# Altium PCB Smartcar.PcbDoc (part 1 of 2)
Units mil, origin at the board's own origin, x right, y up, seen from the top; angles counter-clockwise.
Board outline 3740.16 x 2322.83 mil, 2 copper layers (Top Layer, Bottom Layer); 141 components, 109 nets, 521 pads, 178 vias.
Unrouted connection lines stored in the file: 4.
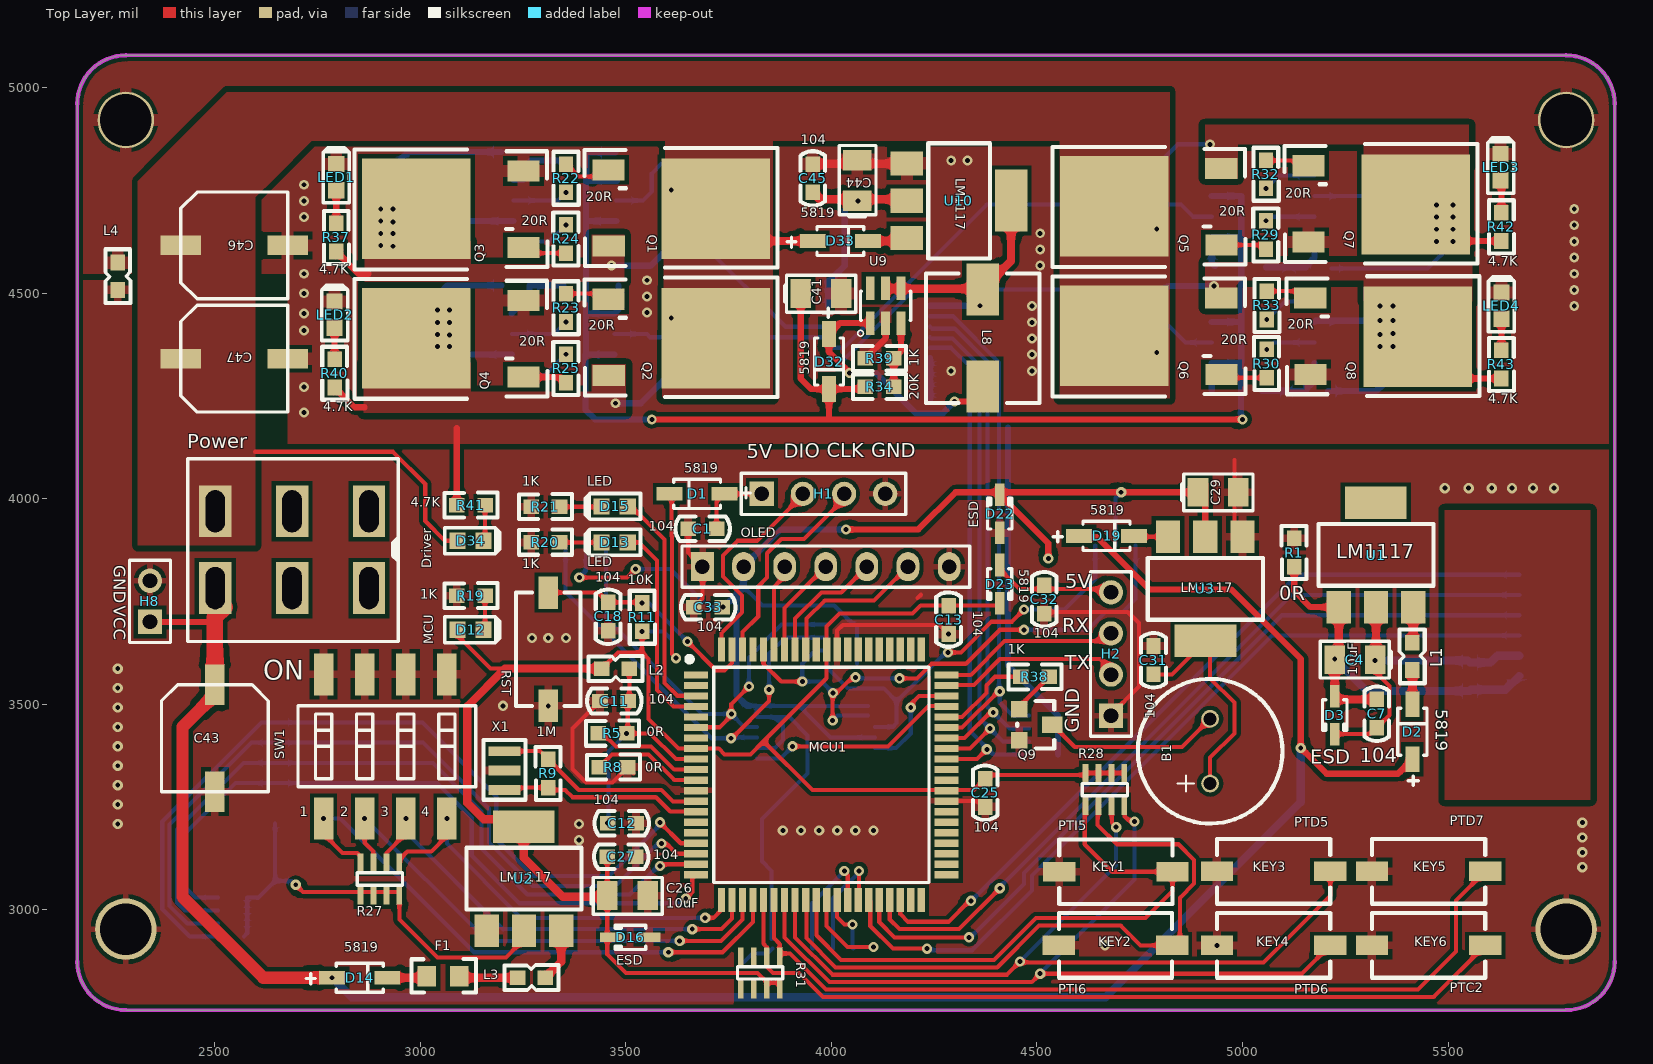
[diagram p0: Top Layer view]
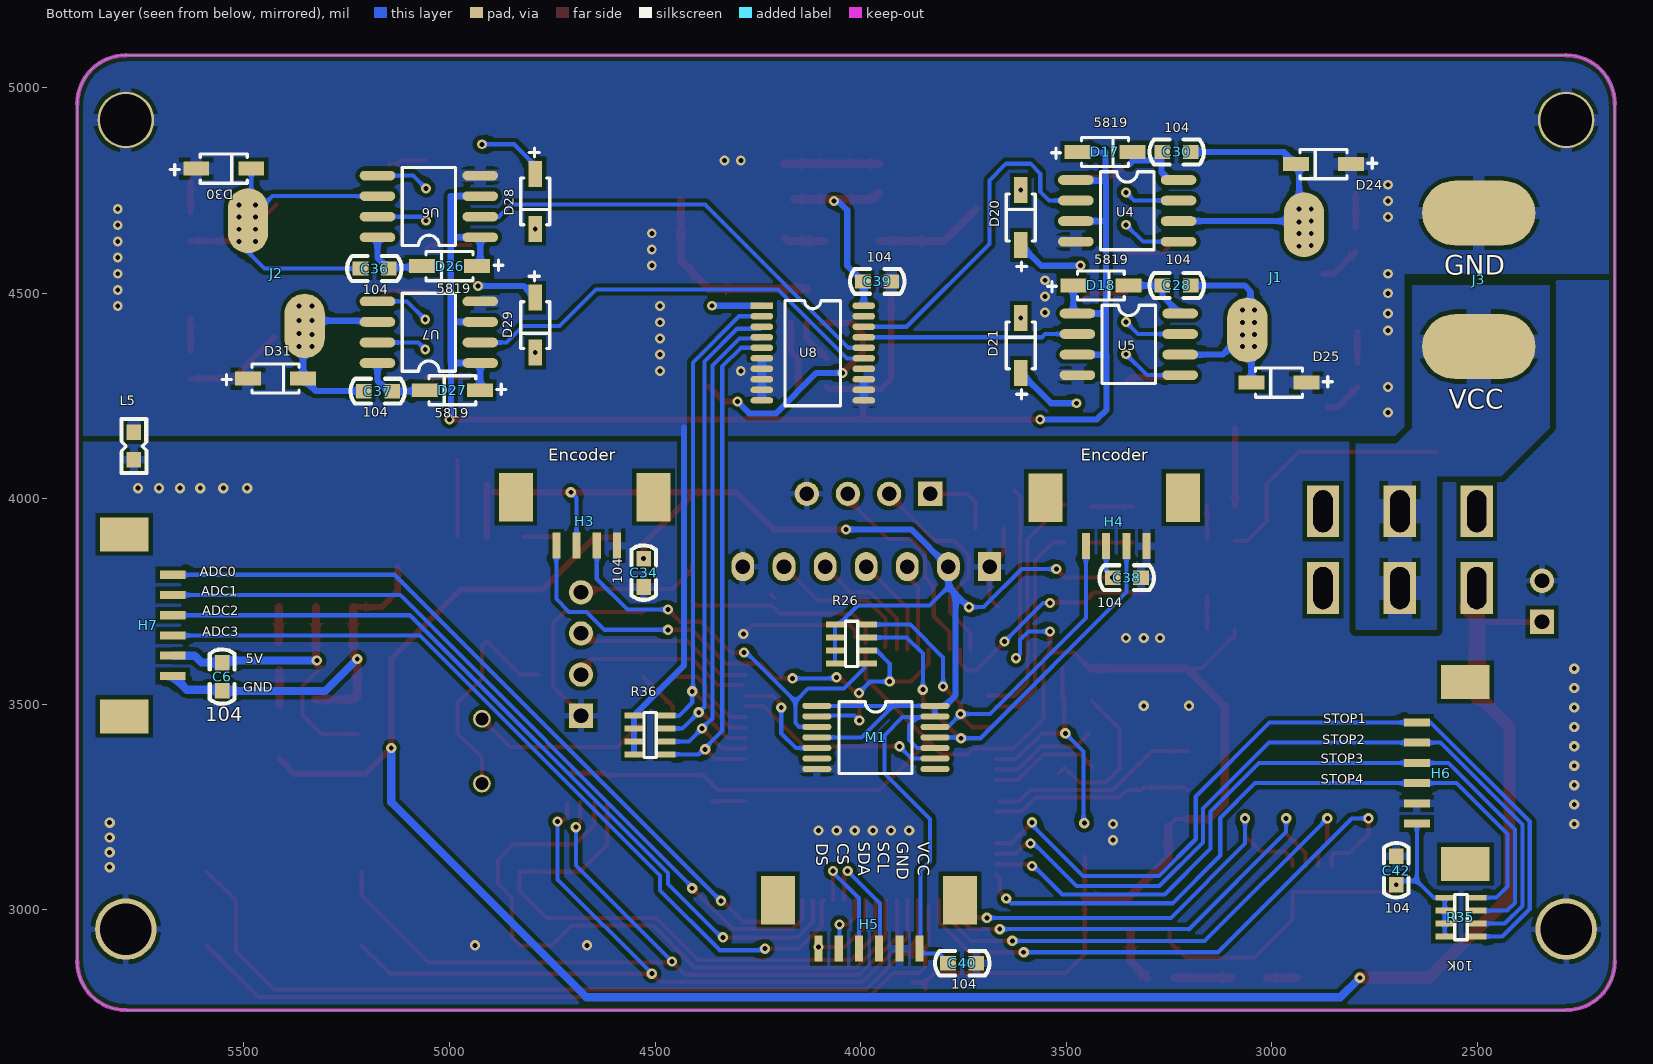
[diagram p1: Bottom Layer view, seen from below]
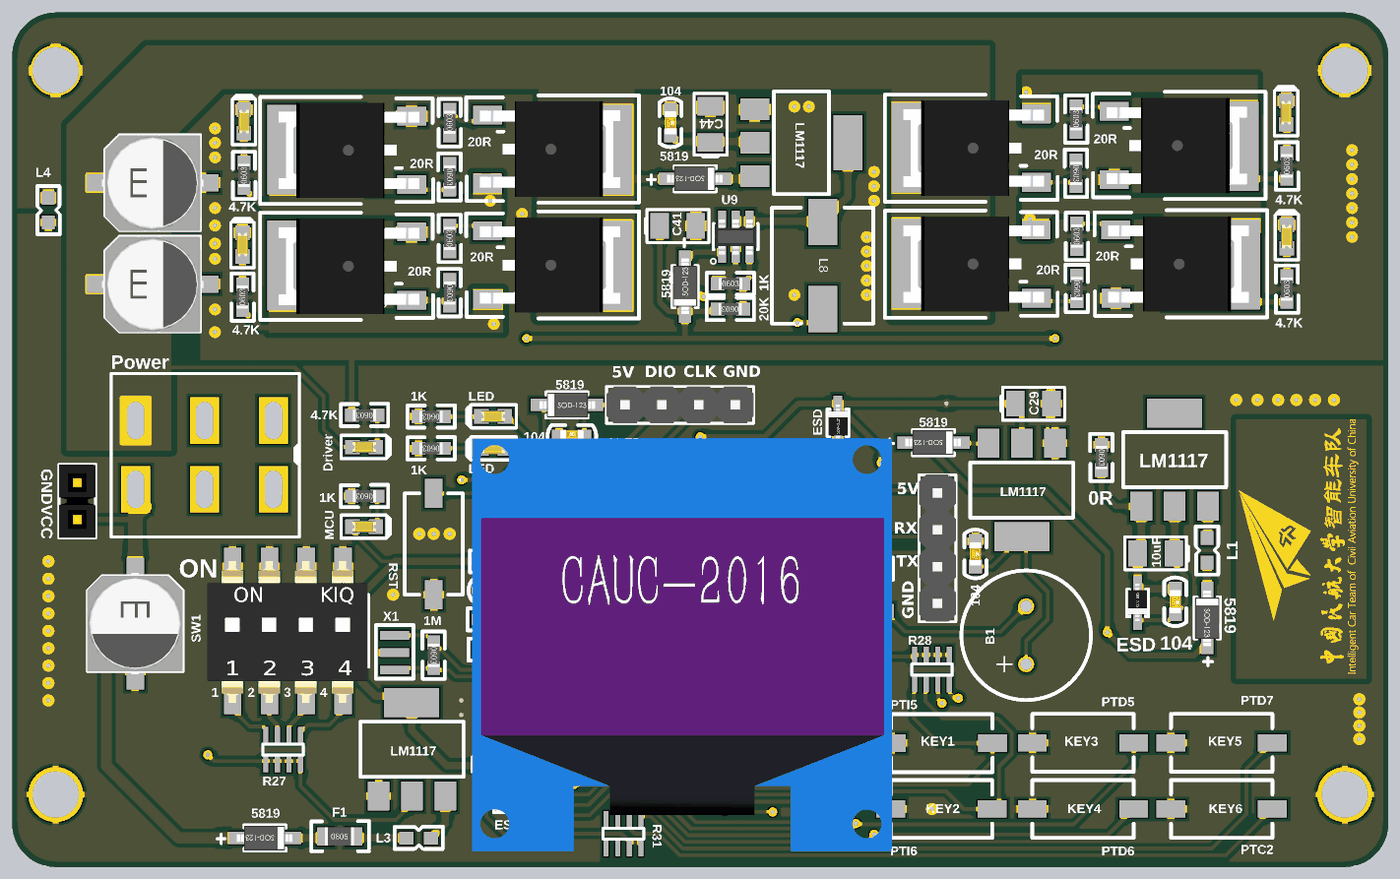
[diagram p3: 3D render of the assembled board from above, using the file's embedded part models]
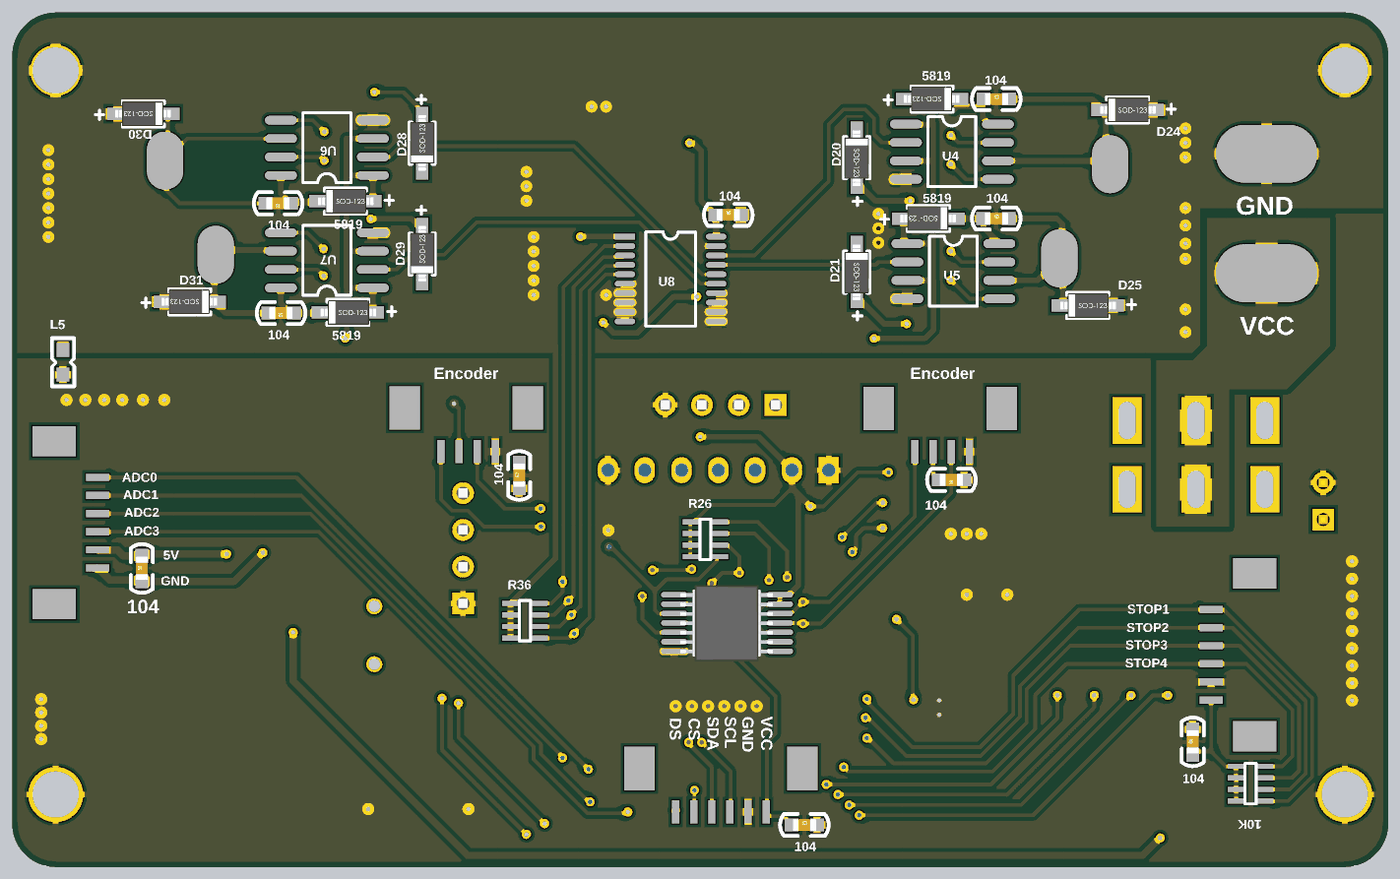
[diagram p4: 3D render of the assembled board from below, using the file's embedded part models]

## Layer stack, top to bottom
Top Solder: solder mask 0.4, Solder Resist, Dk 3.5
Top Layer: signal copper 1.4
Dielectric 1: dielectric 12.6, FR-4, Dk 4.8
Bottom Layer: signal copper 1.4
Bottom Solder: solder mask 0.4, Solder Resist, Dk 3.5

## Board outline
2165.35,2874.02 2165.35,4960.63 cw(c2283.46,4960.63) 2283.46,5078.74 5787.4,5078.74 cw(c5787.4,4960.63) 5905.51,4960.63 5905.51,2874.02 cw(c5787.4,2874.02) 5787.4,2755.91 2283.46,2755.91 cw(c2283.46,2874.02)

## Design rules (kind name [scope] priority, off if disabled: settings)
Clearance [All] p1: gap=10 ignorepadtopadclearanceinfootprint=TRUE except(0: Arc-Hole Track-Hole SMDPad-Hole THPad-Hole Via-Hole Fill-Hole Poly-Hole Region-Hole Text-Hole; 8: Arc-Arc Arc-Track Arc-SMDPad Track-Track Track-SMDPad; 15: Fill-Fill Fill-Poly Fill-Region Poly-Poly Poly-Region Region-Region)
Height [All] p1: minheight=0 maxheight=1181.1 prefheight=500
PlaneConnect PlaneConnect_1 [All] p1: planeconnectstyle=Relief reliefexpansion=20 reliefentries=4 reliefconductorwidth=10 reliefairgap=10
PlaneConnect [InNet('SGND')] p2: planeconnectstyle=Relief reliefexpansion=20 reliefentries=4 reliefconductorwidth=15 reliefairgap=10
PolygonConnect VCC_PolygonConnect [InNet('NetJ3_1')] p1: thpad.connectstyle=Relief thpad.reliefconductorwidth=60 thpad.reliefentries=4 thpad.polygonreliefangle="90 Angle" thpad.airgapwidth=10 smdpad.connectstyle=Relief smdpad.reliefconductorwidth=60 smdpad.reliefentries=4 smdpad.polygonreliefangle="90 Angle" smdpad.airgapwidth=10 via.connectstyle=Direct via.reliefconductorwidth=10 via.reliefentries=4 via.polygonreliefangle="90 Angle" via.airgapwidth=10
PolygonConnect PGND_PolygonConnect [InNet('PGND')] p2: thpad.connectstyle=Relief thpad.reliefconductorwidth=30 thpad.reliefentries=4 thpad.polygonreliefangle="90 Angle" thpad.airgapwidth=10 smdpad.connectstyle=Relief smdpad.reliefconductorwidth=30 smdpad.reliefentries=4 smdpad.polygonreliefangle="90 Angle" smdpad.airgapwidth=10 via.connectstyle=Direct via.reliefconductorwidth=10 via.reliefentries=4 via.polygonreliefangle="90 Angle" via.airgapwidth=10
PolygonConnect SGND_PolygonConnect [InNet('SGND')] p3: thpad.connectstyle=Relief thpad.reliefconductorwidth=15 thpad.reliefentries=4 thpad.polygonreliefangle="90 Angle" thpad.airgapwidth=10 smdpad.connectstyle=Relief smdpad.reliefconductorwidth=20 smdpad.reliefentries=4 smdpad.polygonreliefangle="90 Angle" smdpad.airgapwidth=10 via.connectstyle=Direct via.reliefconductorwidth=10 via.reliefentries=4 via.polygonreliefangle="90 Angle" via.airgapwidth=10
PolygonConnect [All] p4: connectstyle=Direct reliefconductorwidth=10 reliefentries=4 polygonreliefangle="90 Angle" airgapwidth=10
RoutingVias [All] p1: holewidth=28 width=50 viastyle="Through Hole" minholewidth=28 minwidth=50 maxholewidth=28 maxwidth=50
SolderMaskExpansion [All] p1: expansion=4
Width [All] p1: maxlimit=50 minlimit=8 preferedwidth=10
28 further rules are at their usual default settings.

## Components (designator, comment, footprint, x,y, rotation, side; value= is the part's Value field where it differs from the comment)
B1 "BEEP" BEEP 4921.26,3385.83 r90 top
C1 "104" C0603 3651.57,3927.17 r0 top
C4 "10uF" "TAN 3215" 5322.83,3608.27 r180 top
C6 "104" C0603 5553.15,3532.38 r90 bottom
C7 "104" C0603 5326.77,3511.81 r270 top
C11 "104" C0603 3437.01,3507.87 r0 top
C12 "104" C0603 3524.61,3210.63 r180 top
C13 "104" C0603 4285.1,3671 r90 top
C18 "104" C0603 3456.69,3748.03 r270 top
C25 "104" C0603 4374.02,3249.9 r90 top
C26 "10uF" "TAN 3215" 3454.72,3034.45 r0 top
C27 "104" C0603 3523.62,3128.94 r180 top
C28 "104" C0603 3265.85,4518.7 r180 bottom
C29 "10uF" "TAN 3215" 4891.73,4015.75 r0 top
C30 "104" C0603 3265.75,4843.5 r180 bottom
C31 "104" C0603 4783.46,3641.73 r270 top
C32 "104" C0603 4517.72,3720.47 r90 top
C33 "104" C0603 3665.35,3736.22 r0 top
C34 "104" C0603 4527.56,3785.33 r90 bottom
C36 "104" C0603 5147.64,4560.04 r0 bottom
C37 "104" C0603 5139.66,4261.81 r0 bottom
C38 "104" C0603 3317.81,3808.07 r0 bottom
C39 "104" C0603 3994.2,4528.54 r180 bottom
C40 "104" C0603 3787.4,2870.08 r180 bottom
C41 "10uF" "TAN 3215" 3925.2,4499.02 r0 top
C42 "104" C0603 2696.85,3060.92 r90 bottom
C43 "220uF" CAP6.6X6.6 2500,3287.4 r180 top
C44 "10uF" "TAN 3215" 4062.99,4725.39 r90 top
C45 "104" C0603 3954.72,4814.08 r270 top
C46 "220uF" CAP6.6X6.6 2677.17,4616.14 r270 top
C47 "220uF" CAP6.6X6.6 2677.17,4340.55 r270 top
D1 "5819" SOD123 3740.16,4011.81 r0 top
D2 "5819" SOD123 5413.39,3366.14 r270 top
D3 "ESD" SOD323 5224.41,3519.68 r270 top
D12 "MCU" 0603LED 3122.05,3681.1 r0 top
D13 "LED" 0603LED 3472.44,3893.7 r180 top
D14 "5819" SOD123 2785.43,2834.65 r180 top
D15 "LED" 0603LED 3472.44,3981.14 r180 top
D16 "ESD" SOD323 3557.09,2933.07 r180 top
D17 "5819" SOD123 3472.44,4843.5 r0 bottom
D18 "5819" SOD123 3482.28,4518.7 r0 bottom
D19 "5819" SOD123 4602.36,3909.45 r180 top
D20 "5819" SOD123 3610.24,4617.13 r270 bottom
D21 "5819" SOD123 3610.24,4306.1 r270 bottom
D22 "ESD" SOD323 4409.45,3917.32 r90 top
D23 "5819" SOD323 4409.39,3838.58 r270 top
D24 "5819" SOD123 2807.09,4813.98 r180 bottom
D25 "5819" SOD123 2915.35,4282.48 r180 bottom
D26 "5819" SOD123 4933.07,4565.94 r180 bottom
D27 "5819" SOD123 4926.18,4263.78 r180 bottom
D28 "5819" SOD123 4791.34,4790.35 r90 bottom
D29 "5819" SOD123 4791.34,4489.17 r90 bottom
D30 "5819" SOD123 5616.14,4803.15 r0 bottom
D31 "5819" SOD123 5490.16,4292.32 r0 bottom
D32 "5819" SOD123 3994.09,4400.59 r90 top
D33 "5819" SOD123 3954.72,4626.97 r180 top
D34 "Driver" 0603LED 3122.05,3897.64 r0 top
F1 "FUSE" "R 0805" 3055.12,2838.58 r0 top
H1 "header4" HDR1X4 3830.71,4011.81 r0 top
H2 "Serial" HDR1X4 4680.12,3472.24 r90 top
H3 "Encorder1" 1.25mm卧贴-4P 4838.58,4003.94 r180 bottom
H4 "Encorder2" 1.25mm卧贴-4P 3550.2,4002.69 r180 bottom
H5 "H?" 1.25mm卧贴-6P 4200.79,3023.62 r180 bottom
H6 "起跑线检测" 1.25mm卧贴-6P 2528.54,3554.13 r270 bottom
H7 "H?" 1.25mm卧贴-6P 5791.34,3470.47 r90 bottom
H8 "电压表" HDR1X2 2342.52,3700.79 r90 top
J1 "Header2" motor-L 2921.26,4666.34 r180 bottom
J2 "Header2" MOTOR-R 5490.16,4676.18 r180 bottom
J3 "Header2" POWER-IN 2496.06,4370.08 r90 bottom
KEY1 "PTI5" 轻触开关贴片 4829.72,3092.52 r180 top
KEY2 "PTI6" 轻触开关贴片 4828.74,2913.39 r180 top
KEY3 "PTD5" 轻触开关贴片 5213.58,3093.46 r180 top
KEY4 "PTD6" 轻触开关贴片 4937.99,2913.39 r0 top
KEY5 "PTD7" 轻触开关贴片 5314.96,3093.46 r0 top
KEY6 "PTC2" 轻触开关贴片 5314.96,2913.39 r0 top
L1 "0R" L0603 5413.39,3622.05 r270 top
L2 "0R" L0603 3480.32,3586.61 r180 top
L3 "0R" L0603 3275.59,2834.65 r180 top
L4 "0R" L0603 2263.78,4535.87 r90 top
L5 "0R" L0603 5767.72,4122.49 r90 bottom
L8 "50uH" L-06030 4368.11,4390.75 r270 top
LED1 "LED" 0603LED 2795.28,4782.48 r90 top
LED2 "LED" 0603LED 2791.34,4447.83 r90 top
LED3 "LED" 0603LED 5627.96,4806.49 r90 top
LED4 "LED" 0603LED 5629.92,4469.49 r90 top
M1 "74HC74" SSOIC14 4106.3,3496.06 r180 bottom
MCU1 "S9KEA128" LQFP80-14X14 3979.33,3336.61 r0 top
OLED "SPI OLED" OLED12864 3986.22,3834.65 r0 top
Power "钮子开关6脚" 钮子开关6脚 2500.98,3782.48 r90 top
Q1 "N-MOS" TO-252 3457.68,4800.2 r270 top
Q2 "N-MOS" TO-252 3457.68,4485.24 r270 top
Q3 "N-MOS" TO-252 3250.98,4611.22 r90 top
Q4 "N-MOS" TO-252 3250.98,4296.26 r90 top
Q5 "N-MOS" TO-252 4948.82,4617.13 r90 top
Q6 "N-MOS" TO-252 4948.82,4302.17 r90 top
Q7 "N-MOS" TO-252 5160.43,4810.04 r270 top
Q8 "N-MOS" TO-252 5165.19,4488.09 r270 top
Q9 "Q-NPN" SOT-23 4456.31,3492.52 r270 top
R1 "0R" R0603 5125.98,3903.65 r270 top
R5 "0R" R0603 3501.87,3429.13 r180 top
R8 "0R" R0603 3503.94,3346.46 r180 top
R9 "1M" R0603 3311.02,3366.14 r270 top
R11 "10K" R0603 3539.37,3677.17 r90 top
R19 "1K" R0603 3157.48,3763.78 r180 top
R20 "1K" R0603 3338.58,3893.7 r180 top
R21 "1K" R0603 3338.58,3980.32 r180 top
R22 "20R" R0603 3354.33,4745.08 r90 top
R23 "20R" R0603 3354.33,4430.02 r90 top
R24 "20R" R0603 3354.33,4666.34 r270 top
R25 "20R" R0603 3354.33,4351.38 r270 top
R26 "Res Pack-4R" 8P4R-0603 4021.65,3646.65 r0 bottom value=20R
R27 "Res Pack-4R" 8P4R-0603 2901.57,3074.8 r90 top value=20R
R28 "Res Pack-4R" 8P4R-0603 4665.35,3292.32 r90 top value=20R
R29 "20R" R0603 5057.09,4676.18 r270 top
R30 "20R" R0603 5059.06,4363.19 r270 top
R31 "Res Pack-4R" 8P4R-0603 3826.77,2846.46 r270 top value=20R
R32 "20R" R0603 5057.09,4754.82 r90 top
R33 "20R" R0603 5059.06,4435.92 r90 top
R34 "20K" R0603 4151.57,4272.64 r180 top
R35 "10K" 8P4R-0603 2539.37,2982.28 r0 bottom value=20R
R36 "Res Pack-4R" 8P4R-0603 4511.81,3425.2 r180 bottom value=20R
R37 "4.7K" R0603 2795.28,4601.38 r90 top
R38 "1K" R0603 4460.63,3566.93 r0 top
R39 "1K" R0603 4082.68,4341.54 r0 top
R40 "4.7K" R0603 2791.34,4270.67 r90 top
R41 "4.7K" R0603 3157.48,3984.25 r180 top
R42 "4.7K" R0603 5629.92,4626.97 r90 top
R43 "4.7K" R0603 5629.92,4292.32 r90 top
RST "KEY" 轻触开关贴片 3311.02,3771.65 r270 top
SW1 "拨码开关" "SW-DIP-4 - duplicate" 2964.57,3397.64 r0 top
U1 "LM1117" SOT223 5234.25,3736.22 r0 top
U2 "LM1117" SOT223 3161.42,2948.82 r0 top
U3 "LM1117" SOT223 5000,3907.48 r180 top
U4 "IR2104S" SOP-8 3476.38,4775.39 r180 bottom
U5 "IR2104S" SOP-8 3472.44,4450.59 r180 bottom
U6 "IR2104S" SOP-8 4925.2,4636.02 r0 bottom
U7 "IR2104S" SOP-8 4925.2,4330.12 r0 bottom
U8 "74HC245" TSSOP-20 4240.16,4469.49 r180 bottom
U9 "MT3608" SOT23-6 4131.89,4469.49 r180 top
U10 "LM1117" SOT223 4183.46,4815.28 r270 top
X1 "XTAL-CT" CSTCE8M 3204.72,3291.34 r90 top

## Footprints (in the part's own frame and the unit in brackets; to place one, negate y for a bottom-side part, rotate by r counter-clockwise, add the part's x,y. Pads: shape width x height; smd on the part's side, far side on the other; paste and mask are expansions set on the pad)
1.25mm卧贴-4P [mm]
  rect 2.1x3 smd: 0(0,0) 0(8.5,0)
  rect 0.5x1.6 smd: 1(2.5,-3) 2(3.75,-3) 3(5,-3) 4(6.25,-3)
  body extent -0.25,-3 8.75,1.25, height 2.3
1.25mm卧贴-6P [mm]
  rect 2.1x3 smd: 0(0,0) 0(11.25,0)
  rect 0.5x1.6 smd: 1(2.5,-3) 2(3.75,-3) 3(5,-3) 4(6.25,-3) 5(7.5,-3) 6(8.75,-3)
  body extent -0.25,-3 11.5,1.25, height 2.3
8P4R-0603 [mil] "贴片排阻"
  rect 45x14 smd: 1(-39.37,47.24) 2(-39.37,15.75) 3(-39.37,-15.75) 4(-39.37,-47.24) 5(39.37,-47.24) 6(39.37,-15.75) 7(39.37,15.75) 8(39.37,47.24)
  silkscreen extent -15,-55 15,55, body extent -35,-65 35,65, height 24
0603LED [mm]
  rect 1x1 smd: 1(-0.81,0) 2(0.81,0)
  silkscreen extent -1.6,-0.8 1.8,0.8, body extent -0.81,-0.4 0.81,0.4, height 0.6
BEEP [mm]
  round 1.1 hole 0.8: 1(-2,0) 2(2,0)
  silkscreen extent -4.47,-4.47 4.47,4.47, body extent -4.8,-4.8 4.8,4.79, height 5.53
C0603 [mil]
  rect 38x35 smd: 1(0,0) 2(69,0)
  silkscreen extent -31,-30 101,30, body extent 4,-16 67,16, height 12
CAP6.6X6.6 [mm] "SMDC"
  rect 1.2x2.5 smd: 1(0,0) 2(0,-6.6)
  silkscreen extent -3.3,-6.6 3.3,0, body extent -3.27,-6.8 3.33,0.2, height 5.2
CSTCE8M [mm]
  rect 0.6x2 smd: 1(0,0) 2(1.2,0) 3(2.4,0)
  silkscreen extent -0.6,-1.3 3.1,1.3, body extent -0.2,-0.7 2.6,0.7, height 0.7
HDR1X2 [mm]
  rect 1.5x1.5 hole 0.9: 1(-0.01,0.007)
  round 1.5 hole 0.9: 2(2.53,0.007)
  silkscreen extent -1.28,-1.26 3.8,1.28, body extent -1.28,-1.26 3.8,1.28, height 8.41
HDR1X4 [mm] "Connector; Header; 4 Position"
  rect 1.5x1.5 hole 0.9: 1(0,0)
  round 1.5 hole 0.9: 2(2.54,0) 3(5.08,0) 4(7.62,0)
  silkscreen extent -1.27,-1.27 8.89,1.27, body extent -1.26,-1.27 8.9,1.27, height 8.54
L0603 [mil]
  rect 38x35 smd: 1(-28,0) 2(38.87,0)
  silkscreen extent -60,-31 71,30, body extent -24,-15 36,15, height 20
L-06030 [mm]
  rect 3.2x2 smd: 1(-3,0) 2(3,0)
  silkscreen extent -4,-3.5 4,3.5, body extent -3.7,-3.2 3.7,3.2, height 3
LQFP80-14X14 [mm]
  rect 1.475x0.45 smd: 1(-7.833,5.961) 2(-7.833,5.311) 3(-7.833,4.661) 4(-7.833,4.011) 5(-7.833,3.361) 6(-7.833,2.711) 7(-7.833,2.061) 8(-7.833,1.411) 9(-7.833,0.761) 10(-7.833,0.111) 11(-7.833,-0.539) 12(-7.833,-1.189) 13(-7.833,-1.839) 14(-7.833,-2.489) 15(-7.833,-3.139) 16(-7.833,-3.789) 17(-7.833,-4.439) 18(-7.833,-5.089) 19(-7.833,-5.739) 20(-7.833,-6.389) 41(7.643,-6.389) 42(7.643,-5.739) 43(7.643,-5.089) 44(7.643,-4.439) 45(7.643,-3.789) 46(7.643,-3.139) 47(7.643,-2.489) 48(7.643,-1.839) 49(7.643,-1.189) 50(7.643,-0.539) 51(7.643,0.111) 52(7.643,0.761) 53(7.643,1.411) 54(7.643,2.061) 55(7.643,2.711) 56(7.643,3.361) 57(7.643,4.011) 58(7.643,4.661) 59(7.643,5.311) 60(7.643,5.961)
  rect 0.45x1.475 smd: 21(-6.27,-7.952) 22(-5.62,-7.952) 23(-4.97,-7.952) 24(-4.32,-7.952) 25(-3.67,-7.952) 26(-3.02,-7.952) 27(-2.37,-7.952) 28(-1.72,-7.952) 29(-1.07,-7.952) 30(-0.42,-7.952) 31(0.23,-7.952) 32(0.88,-7.952) 33(1.53,-7.952) 34(2.18,-7.952) 35(2.83,-7.952) 36(3.48,-7.952) 37(4.13,-7.952) 38(4.78,-7.952) 39(5.43,-7.952) 40(6.08,-7.952) 61(6.08,7.524) 62(5.43,7.524) 63(4.78,7.524) 64(4.13,7.524) 65(3.48,7.524) 66(2.83,7.524) 67(2.18,7.524) 68(1.53,7.524) 69(0.88,7.524) 70(0.23,7.524) 71(-0.42,7.524) 72(-1.07,7.524) 73(-1.72,7.524) 74(-2.37,7.524) 75(-3.02,7.524) 76(-3.67,7.524) 77(-4.32,7.524) 78(-4.97,7.524) 79(-5.62,7.524) 80(-6.27,7.524)
  silkscreen extent -8.41,-6.86 6.55,7.1, body extent -8.08,-8.18 7.92,7.82, height 1.6
motor-L [mm]
  oval 2.5x4 smd: 1(0,0) 2(-3.5,-6.5)
MOTOR-R [mm]
  oval 2.5x4 smd: 1(0,0) 2(3.5,-6.5)
OLED12864 [mm]
  rect 1.4x1.8 hole 0.9: 1(-7.62,0)
  oval 1.4x1.8 hole 0.9: 2(-5.08,0) 3(-2.54,0) 4(0,0) 5(2.54,0) 6(5.08,0) 7(7.62,0)
  silkscreen extent -8.89,-1.27 8.89,1.27, body extent -14.5,-26.31 14.5,2.19, height 9.9
POWER-IN [mm]
  oval 4x7 smd: 1(0,0) 2(8.25,0)
R0603 [mil] "1/10W"
  rect 38x35 smd: 1(0,0) 2(69,0)
  silkscreen extent -30,-31 99,30, body extent 4,-16 66,16, height 18
"R 0805" [mil]
  rect 45x50 smd: 1(-39.37,0) 2(39.37,0)
  silkscreen extent -77,-40 80,42, body extent -39,-25 39,25, height 22
SOD123 [mm] "1206"
  rect 1.6x0.85 smd: 1(0,0) 2(-3.4,0)
  silkscreen extent -3.15,-0.9 1.6,0.9, body extent -3.6,-0.85 0.25,0.85, height 1.42
SOD323 [mm] "0805"
  rect 1.4x0.6 smd: 1(0,0) 2(2.35,0)
  silkscreen extent 0.22,-0.75 2.13,0.75, body extent -0.17,-0.67 2.43,0.63, height 1
SOP-8 [mm]
  oval 2.2x0.6 smd: 1(0,0) 2(0,-1.27) 3(0,-2.54) 4(0,-3.81) 5(6.35,-3.81) 6(6.35,-2.54) 7(6.35,-1.27) 8(6.35,0)
  silkscreen extent 1.52,-4.32 4.83,0.51, body extent 0,-4.32 6.35,0.51, height 2
SOT23-6 [mm] "SOT-23/SC-74A; 5 Leads; Body 3.1 x 3 mm, inc. leads (LxW max)"
  rect 0.55x1.45 smd: 1(0.95,1.075) 2(0,1.075) 3(-0.95,1.075) 4(-0.95,-1.075) 5(0,-1.075) 6(0.95,-1.075)
  silkscreen extent -1.55,-0.9 1.72,1.88, body extent -1.4,-1.19 1.4,1.23, height 1.08
SOT223 [mil]
  rect 150x79 smd: 0(89.88,253.54)
  rect 59x79 smd: 1(0,0) 2(90.55,0) 3(181.1,0)
  silkscreen extent -49,52 231,202, body extent -39,-12 217,276, height 39
SOT-23 [mil]
  rect 40x40 smd: 1(4.88,0.63) 2(79.88,0.63)
  rect 40x50 smd: 3(41.88,80.63)
  silkscreen extent -15,-4 100,86, body extent -15,-11 99,99, height 47
SSOIC14 [mm]
  oval 1.8x0.38 smd: 1(0,0) 2(0,-0.65) 3(0,-1.3) 4(0,-1.95) 5(0,-2.6) 6(0,-3.25) 7(0,-3.9) 8(7.3,-3.9) 9(7.3,-3.25) 10(7.3,-2.6) 11(7.3,-1.95) 12(7.3,-1.3) 13(7.3,-0.65) 14(7.3,0)
  silkscreen extent 1.37,-4.18 5.87,0.25, body extent 0.42,-4.6 6.82,0.65, height 1.2
"SW-DIP-4 - duplicate" [mm] "DIP Switch; 16 Leads"
  rect 1.2x2.6 smd: 1(-5.08,-4.45) 2(-2.54,-4.45) 3(0,-4.45) 4(2.54,-4.45) 5(2.54,4.45) 6(0,4.45) 7(-2.54,4.45) 8(-5.08,4.45)
  silkscreen extent -6.65,-2.5 4.32,2.5, body extent -6.85,-4.98 4.25,4.82
"TAN 3215" [mm]
  rect 1.27x1.78 smd: 1(0,0) 2(2.5,0)
  silkscreen extent -1,-1.15 3.4,1.12, body extent -0.1,-0.8 2.7,0.8, height 1.2
TO-252 [mm]
  rect 1.3x2 smd: 1(0,0) 3(4.723,0.004)
  rect 6.2x6.7 smd: 2(2.4,6.625)
  silkscreen extent -1.35,-1.48 6.05,10.45, body extent -0.93,-0.53 5.65,9.17, height 2.3
TSSOP-20 [mm]
  rect 1.4x0.4 smd: 1(0,0)
  oval 1.4x0.4 smd: 2(0,-0.65) 3(0,-1.3) 4(0,-1.95) 5(0,-2.6) 6(0,-3.25) 7(0,-3.9) 8(0,-4.55) 9(0,-5.2) 10(0,-5.85) 11(6.3,-5.85) 12(6.3,-5.2) 13(6.3,-4.55) 14(6.3,-3.9) 15(6.3,-3.25) 16(6.3,-2.6) 17(6.3,-1.95) 18(6.3,-1.3) 19(6.3,-0.65) 20(6.3,0)
  silkscreen extent 1.43,-6.17 4.87,0.33
轻触开关贴片 [mm]
  rect 2x1.2 smd: 1(0,0) 2(7,0)
  silkscreen extent 0,-2 7,2, body extent -0.5,-2 7.4,2, height 1.2
钮子开关6脚 [mm]
  rect 3.2x2 hole 1.2 slot 2.6 at 0 deg: 1(0,0) 2(0,-4.75) 3(0,-9.5) 4(4.75,-9.5) 5(4.75,-4.75) 6(4.75,0)
  silkscreen extent -3.3,-11.3 8,1.7

## Part data
C1 C6 C7 C11 C12 C13 C18 C25 C27 C28 C30 C31 C32 C33 C34 C36 C37 C38 C39 C40 C42 C45: library part CAP
C4 C26 C29 C41 C44: library part C-TAN
C43 C46 C47: library part CAP-SMD
D1 D2 D14 D19 D33: library part diode
D3 D16 D22: library part D-ESD
D12 D34: library part LED
D17 D18 D20 D21 D23 D24 D25 D26 D27 D28 D29 D30 D31 D32: library part Diode
H2 H3 H4: library part header4
H5 H6 H7: library part header6
H8: library part Header2
KEY1 KEY2 KEY3 KEY4 KEY5 KEY6: library part KEY
L1 L2 L3 L4 L5 L8: library part Inductance
R1 R5 R8 R9 R11 R19 R20 R21 R22 R23 R24 R25 R29 R30 R32 R33 R34 R37 R38 R39 R40 R41 R42 R43: library part RES
R26 R27 R28 R31 R36: "排阻", Code_IPC=SOIC127P600-16, Code_JEDEC=MS-012-AC, LatestRevisionDate=29-May-2009, LatestRevisionNote="IPC-7351 Footprint Added.", PackageDescription="16-Pin Small Outline Integrated Circuit 1.27 mm Pitch", PackageReference=SOIC16, Published=24-Mar-1999, Publisher="Altium Limited", Sim Note="Enter the Resistance value into parameter field."
R35: library part "Res Pack-4R", "排阻", Code_IPC=SOIC127P600-16, Code_JEDEC=MS-012-AC, LatestRevisionDate=29-May-2009, LatestRevisionNote="IPC-7351 Footprint Added.", PackageDescription="16-Pin Small Outline Integrated Circuit 1.27 mm Pitch", PackageReference=SOIC16, Published=24-Mar-1999, Publisher="Altium Limited", Sim Note="Enter the Resistance value into parameter field."
U1 U2 U3 U10: library part 1117
U4 U5 U6 U7: "半桥驱动器"

## Free pads (board coordinates)
  round 137.8 hole 125.98: 0(5787.4,4921.26) 4(2283.46,4921.26)
  round 149.61 hole 125.98: 2(2283.46,2952.76) 3(5787.4,2952.76)

## Via types
v1: diameter 25, hole 12, Top Layer to Bottom Layer, 88 vias
v2: diameter 24, hole 12, Top Layer to Bottom Layer, 86 vias
v3: diameter 25, hole 12, Top Layer to Bottom Layer, tented both sides, 4 vias

## Nets (pads, with @x,y where several pads share a name; then routed paths per layer and width w, separated by ;. In a path a pad name is that pad's centre, name@x,y a point inside that pad or via, vN(x,y) a via of type N, cw(c..) or ccw(c..) an arc to the next point about the centre after c; other vN are vias at no path point)
ADC0: H7.6 MCU1.38 | length 1896.9
  Top Layer w10: MCU1.38@4167.52,3023.54 4167.52,2989.96 4186.72,2970.76 4284.36,2970.76 4335.26,3021.65 v1(4339.57,3021.65)
  Bottom Layer w10: v1(4339.57,3021.65) 4340.11,3021.65 5133.42,3814.96 H7.6@5673.23,3814.96
ADC1: H7.5 MCU1.37 | length 1927.1
  Top Layer w10: MCU1.37@4141.93,3023.54 4141.93,2976.18 4165.35,2952.76 4310.11,2952.76 v1(4409.66,3052.31)
  Bottom Layer w10: v1(4409.66,3052.31) 4409.66,3055.72 5119.69,3765.75 H7.5@5673.23,3765.75
ADC2: H7.4 MCU1.36 | length 1965.4
  Top Layer w10: MCU1.36@4116.34,3023.54 4116.34,2970.28 4153.6,2933.01 4334.59,2933.01 v1(4334.65,2933.07)
  Bottom Layer w10: v1(4334.65,2933.07) 4338.58,2933.07 4468.5,3062.99 4468.5,3089.1 5095.94,3716.54 H7.4@5673.23,3716.54
ADC3: H7.3 MCU1.35 | length 2005.9
  Top Layer w10: MCU1.35@4090.75,3023.54 4094.42,3019.87 4094.42,2960.7 4149.61,2905.51 v1(4232.28,2905.51)
  Bottom Layer w10: v1(4232.28,2905.51) 4236.16,2901.63 4342.58,2901.63 4488.19,3047.24 4488.19,3083.33 5072.18,3667.32 H7.3@5673.23,3667.32
AGND: C4.2 C6.1 C7.1 D3.1 H7.1 R1.2 U1.1 | length 981
  Top Layer w15: R1.2@5125.98,3834.65 5125.98,3775.59 5165.35,3736.22 U1.1@5234.25,3736.22
  Top Layer w20: D3.1@5224.41,3519.68 C4.2@5224.41,3608.27 ; D3.1@5232.28,3511.81 C7.1@5326.77,3511.81 ; C4.2@5234.25,3618.11 U1.1@5234.25,3736.22
  Bottom Layer w20: v1(5224.41,3610.24) 5302.27,3532.38 C6.1@5553.15,3532.38 5556.2,3535.43 5639.76,3535.43 H7.1@5673.23,3568.9
AVCC5V: C4.1 C6.2 C7.2 D3.2 H7.2 U1.0 U1.2 | length 803.2
  Top Layer w10: D3.2@5224.41,3427.17 5311.13,3427.17 C7.2@5326.77,3442.81 5357.27,3473.31 5357.27,3544.3 5311.02,3590.55 5322.83,3590.55 v1(5322.83,3606.3) C4.1@5322.83,3608.27
  Top Layer w20: C4.1@5324.8,3610.24 U1.2@5324.8,3736.22
  Bottom Layer w10: C6.2@5548.23,3606.3 C6.2@5553.15,3601.38
  Bottom Layer w20: v1(5322.83,3606.3) C6.2@5548.23,3606.3 ; C6.2@5553.15,3601.38 5603.35,3601.38 5620.08,3618.11 H7.2@5673.23,3618.11
BEEP: MCU1.56 R38.1 | length 231.7
  Top Layer w10: MCU1.56@4280.24,3469 4318.04,3469 4376.78,3527.74 4376.78,3546.07 4397.64,3566.93 R38.1@4460.63,3566.93
CLK: H1.3 MCU1.78 | length 513.6
  Top Layer w10: MCU1.78@3783.66,3632.83 3783.66,3675.39 3821.97,3713.7 3821.97,3786.54 3843.66,3808.23 3843.66,3867.28 3877.95,3901.57 3933.07,3901.57 4030.71,3999.21 H1.3@4030.71,4011.81
D0: MCU1.75 OLED.3 | length 218.7
  Top Layer w10: MCU1.75@3860.43,3632.83 3860.43,3785.63 3886.22,3811.42 OLED.3@3886.22,3834.65 OLED.3@3881.8,3830.23
D1: MCU1.74 OLED.4 | length 243.3
  Top Layer w10: MCU1.74@3886.02,3632.83 3886.02,3734.45 OLED.4@3986.22,3834.65
DIO: H1.2 MCU1.80 | length 539.1
  Top Layer w10: MCU1.80@3732.48,3632.83 3732.48,3673.43 3782.72,3723.66 3782.72,3764.53 3736.22,3811.02 3736.22,3862.2 3771.65,3897.64 3818.9,3897.64 3930.71,4009.45 H1.2@3930.71,4011.81 H1.2@3930.71,4023.62
DIRA: M1.5 MCU1.58 | length 267.8
  Top Layer w10: v1(4192.91,3492.13) 4192.91,3500 4213.03,3520.12 MCU1.58@4280.24,3520.12
  Bottom Layer w10: M1.5@4106.3,3393.7 4157.48,3393.7 4192.91,3429.13 v1(4192.91,3492.13)
DIRB: M1.9 MCU1.57 | length 515
  Top Layer w10: v1(3905.51,3397.64) 4137.8,3397.64 4236.22,3496.06 4278.7,3496.06 MCU1.57@4280.24,3494.53
  Bottom Layer w10: M1.9@3818.9,3368.11 3875.98,3368.11 v1(3905.51,3397.64)
DS: MCU1.72 OLED.6 | length 368.5
  Top Layer w10: MCU1.72@3940.08,3639.74 3940.86,3639.74 3940.86,3648.1 3939.76,3649.2 3939.76,3708.2 3983.84,3752.28 4103.86,3752.28 OLED.6@4186.22,3834.65
ECA1: H3.1 M1.2 MCU1.76 R26.2 | length 1467.3
  Top Layer w10: MCU1.76@3834.84,3632.83 3834.84,3598.23 3877.95,3555.12 v1(3929.13,3555.12) ; v1(4002.95,3460.63) 4002.95,3517.08 4052.98,3567.1 v1(4058.59,3565.46) ; v1(4165.35,3562.99) 4207.78,3562.99 4243.21,3598.43 4326.77,3598.43 4409.45,3681.1 v1(4468.5,3681.1)
  Bottom Layer w10: R26.2@3990.16,3630.91 R26.2@3982.28,3630.91 3960.63,3630.91 3929.13,3599.41 v1(3929.13,3555.12) 3976.38,3555.12 v1(4003.94,3527.56) ; v1(4002.95,3460.63) 4014.76,3472.44 M1.2@4088.58,3472.44 ; v1(4058.59,3565.46) 4061.06,3562.99 v1(4165.35,3562.99) ; v1(4468.5,3681.1) 4622.86,3681.1 4666.6,3724.84 4709.09,3724.84 4740.16,3755.91 H3.1@4740.16,3885.83
ECA2: H3.3 M1.3 R26.1 | length 1009.5
  Top Layer w10: v3(4283.46,3625.98) 4314.96,3625.98 4389.76,3700.79 4438.98,3700.79 v1(4468.5,3730.32)
  Bottom Layer w10: R26.1@3990.16,3599.41 3990.16,3588.58 4040.78,3537.96 4127.4,3537.96 4158.67,3506.69 ; M1.3@4106.3,3444.88 4149.61,3444.88 4158.67,3453.94 4158.67,3506.69 ; v3(4283.46,3625.98) 4277.97,3625.98 4158.67,3506.69 ; v1(4468.5,3730.32) 4566.93,3730.32 4641.73,3805.12 H3.3@4641.73,3885.83
ECB1: H4.1 M1.12 MCU1.6 R26.4 | length 1121.8
  Top Layer w10: MCU1.6@3683.07,3443.9 3727.84,3443.9 3758.35,3474.4 v1(3756.37,3476.38) 3756.37,3500.46 v1(3799.21,3543.31)
  Bottom Layer w10: H4.1@3451.77,3884.58 3451.77,3709.65 3685.04,3476.38 v1(3756.37,3476.38) ; v1@3756.37,3476.08 3787.57,3444.88 M1.12@3818.9,3444.88 ; v1(3799.21,3543.31) 3799.21,3614.17 3878.94,3693.9 R26.4@3982.28,3693.9 R26.4@3990.16,3693.9
ECB2: H4.3 M1.11 R26.3 | length 1129
  Top Layer w10: v1(3755.91,3417.32) 3758.37,3417.32 3848.43,3507.38 v1(3848.43,3535.43)
  Bottom Layer w10: H4.3@3353.35,3884.58 3353.35,3772.64 3708.66,3417.32 v1(3755.91,3417.32) 3757.87,3419.29 M1.11@3818.9,3419.29 ; v1(3848.43,3535.43) 3848.43,3623.03 3887.8,3662.4 R26.3@3982.28,3662.4 R26.3@3990.16,3662.4
EXTAL: MCU1.13 R9.1 X1.3 | length 507.2
  Top Layer w10: X1.3@3204.72,3385.83 3291.34,3385.83 R9.1@3311.02,3366.14 3385.33,3291.83 3586.12,3291.83 3614.17,3263.78 MCU1.13@3661.42,3263.78
INT1: MCU1.55 R36.8 U8.2 | length 1291.2
  Top Layer w10: MCU1.55@4280.24,3443.35 4317.84,3443.35 4405.99,3531.5 v1(4409.45,3531.5)
  Bottom Layer w10: U8.2@4240.16,4443.9 4295.28,4443.9 4407.48,4331.69 v1@4407.48,3531.5 ; v1(4409.45,3531.5) 4409.45,3503.94 4440.94,3472.44 R36.8@4472.44,3472.44 R36.8@4480.31,3472.44
INT2: MCU1.54 R36.7 U8.3 | length 1275.4
  Top Layer w10: MCU1.54@4280.24,3417.76 4323.75,3417.76 4386.31,3480.32 v1(4393.7,3480.32)
  Bottom Layer w10: U8.3@4240.16,4418.31 4244.87,4413.59 4299.99,4413.59 4379.98,4333.6 4379.98,3492.07 ; 4381.95,3492.07 v1(4393.7,3480.32) 4433.07,3440.94 R36.7@4472.44,3440.94 R36.7@4480.31,3440.94
INT3: MCU1.53 R36.6 U8.4 | length 1274.6
  Top Layer w10: MCU1.53@4280.24,3392.17 4337.05,3392.17 v1(4385.83,3440.94)
  Bottom Layer w10: U8.4@4240.16,4392.72 4243.11,4389.76 4294.29,4389.76 4360.24,4323.82 4360.24,3464.57 ; 4362.2,3464.57 4417.32,3409.45 R36.6@4472.44,3409.45 R36.6@4480.31,3409.45
INT4: MCU1.52 R36.5 U8.5 | length 1276.9
  Top Layer w10: MCU1.52@4280.24,3366.57 4354.27,3366.57 v1(4377.95,3390.26)
  Bottom Layer w10: U8.5@4240.16,4367.13 4291.34,4367.13 4336.61,4321.85 4336.61,3435.04 4393.7,3377.95 R36.5@4472.44,3377.95 R36.5@4480.31,3377.95
KEY1: KEY1.1 MCU1.30 R28.1 | length 1436.4
  Top Layer w10: MCU1.30@3959.6,3023.54 3963.58,3019.56 3963.58,2937.99 4023.56,2878.01 4395.86,2878.01 4497.47,2979.61 4764.06,2979.61 4829.72,3045.28 KEY1.1@4829.72,3092.52 4683.07,3092.52 4616.14,3159.45 R28.1@4616.14,3259.84
KEY2: KEY2.1 MCU1.29 R28.2 | length 1626.8
  Top Layer w10: MCU1.29@3939.13,3023.54 3939.13,2930.95 4010.07,2860.01 4403.32,2860.01 4504.92,2961.61 4703.74,2961.61 4751.97,2913.39 KEY2.1@4828.74,2913.39 4847.72,2932.37 4847.72,3029.14 4882.09,3063.51 4882.09,3121.53 4844.17,3159.45 4694.88,3159.45 4647.64,3206.69 R28.2@4647.64,3259.84
KEY3: KEY3.1 MCU1.28 R28.3 | length 2060.1
  Top Layer w10: MCU1.28@3911.61,3023.54 3911.61,2932.74 4002.34,2842.01 4426.66,2842.01 v1@4456.63,2871.99 ; v1(4458.66,2874.02) v1@4456.63,2871.99 ; R28.3@4682.09,3260.83 4682.09,3211.61 v1(4692.71,3200.99) ; KEY3.1@5213.58,3093.46 5213.58,3034.45 5051.12,2871.99 v1@4456.63,2871.99
  Bottom Layer w10: v1(4458.66,2874.02) 4692.71,3108.06 v1(4692.71,3200.99)
KEY4: KEY4.2 MCU1.27 R28.4 | length 2038.4
  Top Layer w10: MCU1.27@3886.02,3023.54 3886.02,2932.87 3994.89,2824.01 4487.4,2824.01 v1(4507.87,2844.49) 5144.69,2844.49 KEY4.2@5213.58,2913.39 ; R28.4@4713.58,3259.84 4713.58,3227.36 4733.27,3207.68 4740.16,3214.57 v1(4737.2,3214.57)
  Bottom Layer w10: v1(4507.87,2844.49) 4737.2,3073.82 v1(4737.2,3214.57)
KEY5: KEY5.2 MCU1.26 R31.1 | length 2087.9
  Top Layer w10: MCU1.26@3860.43,3023.54 3860.52,3023.46 3860.52,2930.82 3874.02,2917.32 R31.1@3874.02,2893.7 ; R31.1@3874.02,2885.83 R31.1@3874.02,2893.7 ; KEY5.2@5590.55,3093.46 5519.69,3022.6 5519.69,2898.62 5427.07,2806.01 3987.16,2806.01 3899.47,2893.7 R31.1@3874.02,2893.7
KEY6: KEY6.2 MCU1.25 R31.2 | length 1979.6
  Top Layer w10: MCU1.25@3834.65,3007.87 3834.65,2917.32 3842.52,2909.45 R31.2@3842.52,2885.83 3842.52,2862.2 3858.27,2846.46 3921.26,2846.46 3979.7,2788.01 5465.18,2788.01 KEY6.2@5590.55,2913.39
KEY7: MCU1.24 R27.8 SW1.1 | length 1437.2
  Top Layer w10: v1(2764.57,3222.44) 2764.57,3184.25 2811.02,3137.8 2846.46,3137.8 2854.33,3129.92 R27.8@2854.33,3114.17 R27.8@2854.33,3106.3 ; v1(3603.35,2896.65) 3735.24,2896.65 3809.25,2970.67 MCU1.24@3809.25,3023.54
  Bottom Layer w10: v1(2764.57,3222.44) 2805.12,3222.44 3130.91,2896.65 v1(3603.35,2896.65)
KEY8: MCU1.23 R27.7 SW1.2 | length 1236.2
  Top Layer w10: v1(2864.57,3222.44) 2864.57,3162.99 2885.83,3141.73 R27.7@2885.83,3114.17 R27.7@2885.83,3106.3 ; v1(3630.7,2924.42) 3731.5,2924.42 3783.66,2976.57 MCU1.23@3783.66,3023.54
  Bottom Layer w10: v1(2864.57,3222.44) 3162.8,2924.21 3163,2924.42 v1(3630.7,2924.42)
KEY9: MCU1.22 R27.6 SW1.3 | length 1116.9
  Top Layer w10: R27.6@2917.32,3106.3 R27.6@2917.32,3114.17 2917.32,3137.8 2964.57,3185.04 v1(2964.57,3222.44) ; v1(3661.42,2952.76) 3732.28,2952.76 3758.07,2978.54 MCU1.22@3758.07,3023.54
  Bottom Layer w10: v1(2964.57,3222.44) 2964.57,3188.98 3201.63,2951.92 3202.47,2952.76 v1(3661.42,2952.76)
KEY10: MCU1.21 R27.5 SW1.4 | length 1010.4
  Top Layer w10: R27.5@2948.82,3106.3 R27.5@2948.82,3114.17 2948.82,3122.05 2968.5,3141.73 3026.57,3141.73 3064.57,3179.72 v1(3064.57,3222.44) ; v1(3692.91,2980.32) 3712.6,2980.32 MCU1.21@3732.28,3000
  Bottom Layer w10: v1(3064.57,3222.44) 3064.57,3160.83 3245.08,2980.32 v1(3692.91,2980.32)
LED1: D13.1 MCU1.4 | length 516.5
  Top Layer w10: D13.1@3504.33,3893.7 3531.5,3893.7 3575.79,3849.41 3575.79,3534.45 3615.71,3494.53 MCU1.4@3670.94,3494.53
LED2: D15.1 MCU1.3 | length 581.6
  Top Layer w10: D15.1@3504.33,3984.25 3510.13,3984.25 3593.79,3900.59 3593.79,3551.88 3625,3520.67 MCU1.3@3689.6,3520.67
NetB1_2: B1.2 Q9.3 | length 435.6
  Top Layer w10: Q9.3@4536.94,3450.64 4591.91,3395.67 4852.36,3395.67 B1.2@4921.26,3464.57
NetC1_2: C1.2 D1.1 H1.1 | length 183.3
  Top Layer w10: C1.2@3720.57,3927.17 3720.57,3992.23 D1.1@3740.16,4011.81 H1.1@3830.71,4011.81